# Altium PCB Stabiliser.PCBDOC (part 7 of 8) (continued)
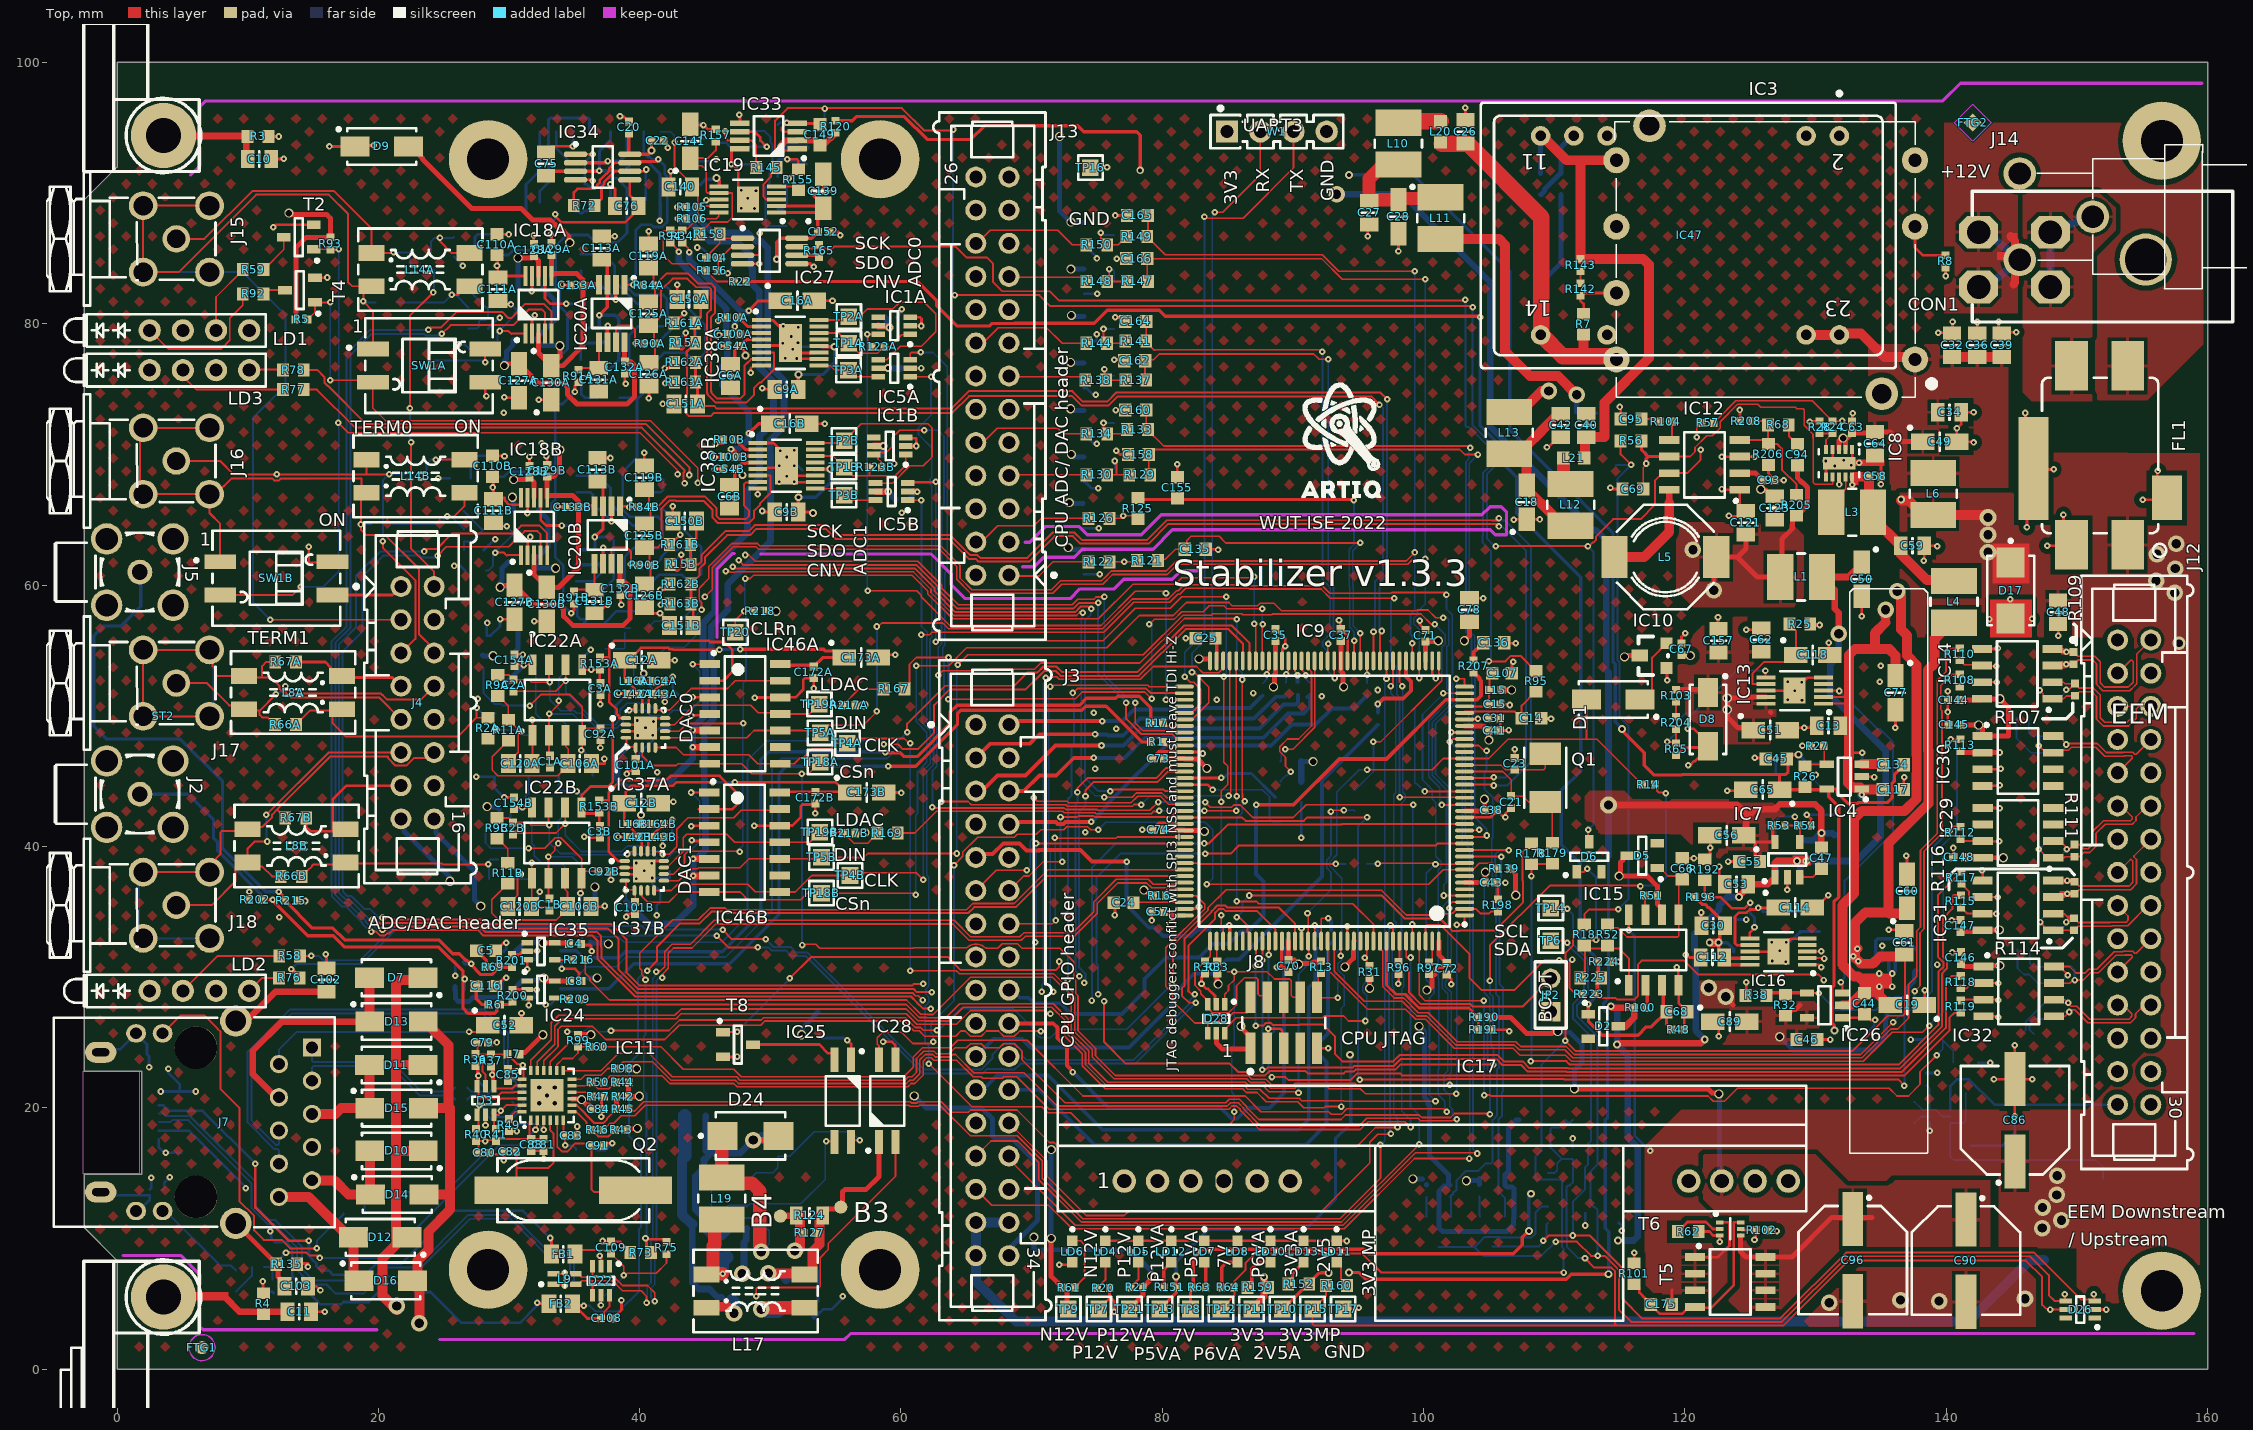
[diagram p0: Top view]
## Nets (pads, with @x,y where several pads share a name; then routed paths per layer and width w, separated by ;. In a path a pad name is that pad's centre, name@x,y a point inside that pad or via, vN(x,y) a via of type N, cw(c..) or ccw(c..) an arc to the next point about the centre after c; other vN are vias at no path point) (continued)
  Bot w0.127: v1(61.783,71.859) 62.8,71.859 63.289,71.37 63.289,66.167 63.102,65.98 63.102,55.494 62.849,55.241 v1(62.849,53.108) ; v1(85.703,35.793) 85.703,42.148 86.112,42.557 86.112,43.192 86.309,43.389 v1(86.309,43.459) ; v1(85.703,57.375) 85.703,53.687 86.112,53.279 v1(86.112,52.778)
SPI3_MOSI: IC9.113
SPI3_SCK: IC5B.3 IC9.111 | length 64.8
  Top w0.127: v1(62.662,55.677) 62.725,55.74 75.466,55.74 76.825,57.1 76.825,57.122 77.923,58.22 80.61,58.22 81.496,59.106 v1(84.897,59.106) ; v1(84.5,43.434) 84.5,44.24 84.997,44.737 84.997,46.156 84.698,46.455 v1(84.698,53) ; v1(84.506,34.747) 84.506,33.883 84.5,33.877 84.659,33.718 IC9.111@84.659,32.752
  Top w0.203: IC5B.3@60.509,67.808 60.567,67.866 62.605,67.866 v1(62.662,67.922)
  Bot w0.127: v1(62.662,55.677) v1(62.662,67.922) ; v1@84.5,43.29 84.506,43.284 v1(84.506,34.747) ; v1(84.698,53) 84.698,53.062 84.897,53.261 v1(84.897,59.106)
SPI4_MISO: IC9.5
SPI4_MOSI: IC9.4 IC37A.9 IC46A.10 TP5A.1 | length 95.5
  Top w0.127: IC37A.9@41.948,48.32 48.194,48.32 48.746,48.871 50.52,48.871 53.48,48.871 TP5A.1@53.732,48.619 ; TP5A.1@53.809,48.696 54.381,49.267 56.565,49.267 56.618,49.32 57.147,49.32 v1(58.161,50.334) ; v1(58.161,56.833) 58.25,56.833 58.517,57.1 63.197,57.1 63.638,56.658 75.417,56.658 77.7,58.941 80.466,58.941 81.088,59.564 81.228,59.564 81.691,60.026 86.693,60.026 86.758,59.961 92.247,59.961 92.826,59.382 97.509,59.382 97.567,59.44 101.73,59.44 101.75,59.421 v1(101.75,59.25) ; v1(101.554,36.246) 103.115,36.246 IC9.4@103.134,36.227
  Bot w0.127: v1(58.161,50.334) v1(58.161,56.833) ; v1(101.554,36.246) 101.554,37.058 101.746,37.25 101.746,42.92 101.819,42.993 101.819,44.279 100.655,45.443 100.655,49.488 102.214,51.047 102.214,52.5 102.06,52.655 102.06,53.02 102.214,53.175 102.214,54.681 102.183,54.712 102.183,57.722 101.75,58.155 v1(101.75,59.25)
SPI4_NSS: IC9.3 IC37A.6 IC46A.7 TP18A.1 | length 102.6
  Top w0.127: IC37A.6@40.198,47.57 40.198,46.941 40.939,46.2 42.809,46.2 42.94,46.331 45.62,46.331 47.821,46.331 48.582,45.571 v1(52.397,45.571) 52.929,45.571 TP18A.1@53.809,46.451 TP18A.1@54.381,45.879 ; v1(52.444,32.454) 52.505,32.515 53.485,32.515 53.791,32.209 60.95,32.209 60.979,32.237 65.027,32.237 cw(c65.73,31.54) 66.434,32.237 66.537,32.237 66.556,32.219 67.402,32.219 67.74,32.556 68.92,32.556 69.257,32.219 72.165,32.219 73.22,31.164 73.22,29.891 73.389,29.722 73.389,28.732 73.552,28.569 73.552,25.898 74.885,24.565 74.885,23.987 76.403,22.469 86.569,22.469 86.849,22.19 87.931,22.19 88.383,21.738 90.021,21.738 90.136,21.853 94.771,21.853 94.915,21.708 101.958,21.708 v1(102,21.75) ; v1(101.956,35.281) 102,35.325 102,35.561 102.184,35.746 103.115,35.746 IC9.3@103.134,35.727
  Bot w0.127: v1(52.397,45.571) 52.42,45.548 52.42,32.477 v1(52.444,32.454) ; v1(101.956,35.281) 102.001,35.281 102.106,35.176 102.106,30.085 101.668,29.646 101.668,29.282 102.106,28.843 102.106,22.705 102,22.599 v1(102,21.75)
SPI4_SCK: IC9.1 IC37A.8 IC46A.8 TP4A.1 | length 100.4
  Top w0.127: IC37A.8@41.198,47.57 42.81,47.57 43.355,47.025 48.345,47.025 49.038,46.331 50.52,46.331 51.833,46.331 52.282,46.78 52.532,46.78 53.215,47.463 54.631,47.463 55.065,47.898 TP4A.1@55.9,47.898 56.267,48.265 60.248,48.265 60.615,47.898 v1(60.714,47.898) ; v1(60.714,30.499) 64.238,30.499 64.467,30.27 71.672,30.27 72.589,29.354 72.655,29.354 73.135,28.874 73.135,28.627 73.298,28.464 73.298,25.793 74.631,24.46 74.631,23.882 76.298,22.215 86.464,22.215 86.744,21.936 87.826,21.936 88.278,21.484 90.127,21.484 90.242,21.599 92.628,21.599 92.772,21.454 95.158,21.454 95.548,21.065 v1(102.5,21.065) ; v1(102.548,34) 102.901,34 103.134,34.233 IC9.1@103.134,34.727
  Bot w0.127: v1(60.714,30.499) 60.714,36.098 60.697,36.114 60.697,36.479 60.714,36.495 v1(60.714,47.898) ; v1(102.5,21.065) 102.548,21.113 v1(102.548,34)
SPI5_MOSI: IC9.20 IC37B.9 IC46B.10 TP5B.1 | length 93.8
  Top w0.127: IC37B.9@41.853,37.382 42.99,37.382 43.899,38.291 44.428,38.291 44.518,38.382 47.69,38.382 48.363,39.055 50.475,39.055 50.481,39.05 53.809,39.05 TP5B.1@53.919,39.16 57.154,39.16 57.455,39.461 v1(64.258,39.461) ; v1(64.338,53.899) 65.1,54.661 78.547,54.661 81.59,57.704 83.758,57.704 83.87,57.816 86.09,57.816 86.167,57.739 88.387,57.739 88.439,57.791 99.804,57.791 100.595,57 v1(100.859,57) ; v1(100.076,44.209) 103.116,44.209 IC9.20@103.134,44.227
  Bot w0.127: v1(64.258,39.461) 64.258,53.718 64.338,53.798 v1(64.338,53.899) ; v1(100.076,44.209) 99.486,44.799 99.407,44.799 99.329,44.877 99.329,50.624 101.379,52.673 101.379,55.235 101.66,55.517 101.66,56.199 v1(100.859,57)
SPI5_NSS: IC9.18 IC37B.6 IC46B.7 TP18B.1 | length 101.4
  Top w0.127: IC37B.6@40.153,36.682 40.153,36.189 40.616,35.725 42.231,35.725 43.016,36.51 45.581,36.51 47.696,36.51 48.284,35.922 52.339,35.922 52.837,36.42 TP18B.1@53.917,36.42 60.913,36.42 61.037,36.297 v1(61.138,36.297) ; v1(61.161,53.838) 63.654,53.838 65.018,55.202 75.756,55.202 78.226,57.671 80.839,57.671 81.833,58.665 85.105,58.665 85.337,58.433 87.29,58.433 87.477,58.62 88.548,58.62 89.123,58.045 99.48,58.045 99.534,58.098 100.335,58.098 100.933,57.5 v1(101.5,57.5) ; v1(101.379,43.175) 103.082,43.175 IC9.18@103.134,43.227
  Bot w0.127: v1(61.138,36.297) 61.138,42.389 61.259,42.511 61.259,45.731 61.981,46.453 61.981,48.749 61.161,49.569 v1(61.161,53.838) ; v1(101.379,43.175) 101.246,43.308 101.246,44.493 100.401,45.338 100.401,49.593 101.94,51.133 101.94,51.909 101.774,52.076 101.774,55.272 101.914,55.411 101.914,57.368 101.782,57.5 v1(101.5,57.5)
SPI5_SCK: IC9.19 IC37B.8 IC46B.8 TP4B.1 | length 99.8
  Top w0.127: IC37B.8@41.103,36.632 42.424,36.632 42.909,37.117 48.273,37.117 48.854,36.535 50.455,36.535 50.481,36.51 51.905,36.51 53.175,37.78 TP4B.1@56.101,37.78 56.315,37.994 61.165,37.994 v1(61.697,37.462) v1@61.596,37.462 ; v1(61.566,56.21) 62.182,56.21 62.375,56.404 75.522,56.404 77.805,58.687 80.571,58.687 81.193,59.31 81.334,59.31 81.796,59.772 86.588,59.772 86.653,59.707 92.142,59.707 92.849,59 v1(97.75,59) ; v1(98.159,43.772) 98.163,43.768 100.258,43.768 100.262,43.772 103.089,43.772 IC9.19@103.134,43.727
  Bot w0.127: v1(61.566,56.21) 61.602,56.174 61.602,49.488 62.235,48.854 62.235,46.348 61.697,45.809 v1(61.697,37.462) ; v1(97.75,59) 97.5,58.75 97.5,54.158 97.934,53.725 97.934,51.649 98.159,51.424 v1(98.159,43.772)
TCK: D28.3 IC9.109 J8.4 R30.2 | length 14
  Top w0.127: IC9.109@83.659,32.752 83.659,31.591 R30.2@83.274,31.206 82.5,30.432 82.5,29.377 82.953,28.923 82.953,28.721 83.481,28.194 83.481,27.644 83.74,27.385 83.74,27.365 83.852,27.254 85.059,27.254 85.676,27.87 85.676,29.34 86.292,29.956 87.19,29.956 87.32,29.826 87.32,28.696 87.451,28.566 87.924,28.566 J8.4@88.026,28.464
TD_N: J7.8 R220.2 | length 13.1
  Bot w0.152: J7.8@14.93,22.07 14.93,23.099 15.019,23.188 20.932,23.188 23.188,20.933 25.594,20.933 25.882,20.645 R220.2@25.882,20.625
TD_P: J7.10 R199.2 | length 13.1
  Bot w0.152: J7.10@14.93,24.61 14.93,23.582 15.019,23.493 21.059,23.493 23.314,21.238 25.594,21.238 25.882,21.525 R199.2@25.882,21.545
TDI: D28.1 IC5B.1 IC9.110 J8.8 R33.2 | length 94.8
  Top w0.127: IC5B.1@60.509,66.508 61.547,66.508 v1(61.566,66.489) ; v1(62.137,23.382) 65.431,20.088 70.777,20.088 71.241,19.624 72.984,19.624 73.869,18.739 85.16,18.739 85.519,19.098 v1(85.519,19.695) ; IC9.110@84.159,32.752 84.159,31.25 R33.2@84.203,31.206 84.987,30.422 v1(85.5,30.422) ; D28.1@84.781,27.919 84.781,28.688 85.069,28.976 85.069,29.354 85.5,29.785 v1(85.5,30.422) ; J8.8@90.566,28.464 90.005,28.464 89.875,28.594 89.875,29.724 89.745,29.855 88.581,29.855 88.014,30.422 v1(85.5,30.422)
  Bot w0.127: v1(61.566,66.489) 61.566,56.833 62.006,56.393 62.006,56.028 61.967,55.989 61.967,49.481 62.489,48.96 62.489,46.242 61.967,45.721 61.967,37.814 62.137,37.644 62.137,29.297 61.917,29.077 61.917,28.672 62.137,28.451 62.137,28.064 61.84,27.767 61.84,25.04 62.137,24.743 v1(62.137,23.382) ; v1(85.5,30.422) 85.5,26.494 85.471,26.465 85.471,26.017 85.5,25.987 85.5,24.789 85.319,24.608 85.319,21.181 85.519,20.981 v1(85.519,19.695)
TDO: D28.6 IC9.133 J8.6 R31.2 | length 20.3
  Top w0.127: D28.6@84.649,25.863 85.664,26.878 88.984,26.878 89.005,26.899 89.281,26.899 ; J8.6@89.296,28.464 89.281,28.449 89.281,26.899 ; v1(95.549,26.64) 94.252,26.64 93.875,27.018 92.391,27.018 92.273,26.899 89.281,26.899 ; IC9.133@95.659,32.752 95.659,31.07 R31.2@95.869,30.86
  Bot w0.127: v1(95.549,26.64) 95.659,26.751 95.659,28.586 95.329,28.916 95.329,29.364 95.659,29.694 v1@95.659,31.496
  other v1: 95.504,31.496
TERM0: LD1.1 R92.1 | length 11
  Top w0.127: LD1.1@2.5,79.5 3.931,78.069 7.97,78.069 8.64,78.739 8.64,80.435 9.62,81.416 R92.1@9.62,82.294
TERM1: LD1.3 R59.1 | length 5.5
  Top w0.127: LD1.3@7.58,79.5 7.58,82.054 9.62,84.094 R59.1@9.62,84.144
TERM_STAT0: IC9.80 R5.2 SW1A.2 T4.1 | length 93.4
  Top w0.127: R5.2@14.59,80.334 15.15,80.894 T4.1@15.15,81.634 16.292,81.634 v1(16.312,81.654) ; v1(16.332,75.692) SW1A.2@19.423,75.692 ; SW1A.2@19.581,75.534 19.581,73.56 20.548,72.593 40.818,72.593 44.45,68.961 v1(44.45,67.818) ; v1(48.082,62.306) 48.363,62.306 48.845,61.824 61.289,61.824 63.115,59.998 63.115,59.767 64.396,58.487 73.101,58.487 73.529,58.915 74.752,58.915 74.925,59.089 75.29,59.089 75.424,58.955 v1(75.575,59.106) ; v1(77.929,50.995) 77.929,49.444 78.517,48.857 80.932,48.857 81.062,48.727 IC9.80@81.684,48.727
  L3 w0.127: v1(44.45,67.818) 44.45,67.564 45.872,66.142 45.872,64.11 47.294,62.688 47.62,62.688 48.047,62.262 48.082,62.298 v1(48.082,62.306)
  Bot w0.127: v1(16.312,81.654) 16.312,75.712 v1(16.332,75.692) ; v1(75.575,59.106) 75.54,59.07 75.54,58.84 75.548,58.831 75.548,53.107 77.161,51.494 77.448,51.494 77.929,51.013 v1(77.929,50.995)
TERM_STAT1: IC9.90 R93.2 SW1B.2 T2.1 | length 124
  Top w0.127: SW1B.2@7.9,59.249 13.439,59.249 v1(14.057,59.868) ; T2.1@15.057,85.693 16.312,85.693 R93.2@16.332,85.673 16.95,85.673 v1(16.97,85.693) ; v1(16.942,72.415) 17.7,71.658 40.026,71.658 42.901,68.783 v1(42.901,68.478) ; v1(46.584,61.062) 46.702,61.18 46.731,61.18 46.935,60.977 47.299,60.977 47.334,61.011 60.953,61.011 62.303,59.661 62.303,59.431 64.059,57.674 73.438,57.674 73.663,57.899 v1(73.927,57.899) ; v1(75.565,43.775) 77.692,43.775 78.011,44.094 79.971,44.094 80.338,43.727 IC9.90@81.684,43.727
  L3 w0.127: v1(42.901,68.478) 42.994,68.385 42.994,67.61 43.252,67.352 43.497,67.352 44.907,65.942 44.907,62.738 v1(46.584,61.062)
  Bot w0.127: v1(14.057,59.868) 15.773,59.868 16.97,61.064 v1(16.97,85.693) ; v1(73.927,57.899) 73.876,57.849 73.876,57.459 73.8,57.382 73.8,44.94 74.847,43.893 75.346,43.893 75.464,43.775 v1(75.565,43.775)
TMS: D28.4 IC9.105 J8.2 R16.2 | length 21
  Top w0.127: R16.2@80.253,36.227 IC9.105@81.684,36.227 82.607,36.227 83.25,35.584 83.25,35.219 80.276,32.245 80.276,29.282 80.534,29.024 80.555,29.024 80.78,28.798 80.78,28.202 82.488,26.494 83.559,26.494 ; D28.4@83.481,25.719 83.481,26.415 83.559,26.494 ; J8.2@86.756,28.464 86.528,28.236 86.528,27.263 85.429,27.263 85.038,26.873 84.51,26.873 84.131,26.494 83.559,26.494
USART3_RX: IC9.78 W1.2 | length 49.3
  Top w0.127: IC9.78@81.684,49.727 82.3,49.727 83.563,50.99 83.563,52.205 82.481,53.286 82.321,53.286 v1(82.274,53.333) ; v1(84,88.526) 84.626,88.526 87.5,91.4 W1.2@87.5,94.711
  Bot w0.127: v1(82.274,53.333) 82.274,54.127 82.269,54.132 82.269,54.779 83.825,56.335 83.825,88.25 84,88.425 v1(84,88.526)
USART3_TX: IC9.77 W1.3 | length 51.4
  Top w0.127: IC9.77@81.684,50.227 82.241,50.227 82.6,50.586 82.6,50.598 82.953,50.951 82.953,52.014 82.4,52.567 82.129,52.567 v1(81.712,52.984) ; v1(83.228,88.2) 83.343,88.086 86.186,88.086 90.04,91.94 W1.3@90.04,94.711
  Bot w0.127: v1(81.712,52.984) 81.712,54.852 83.228,56.368 v1(83.228,88.2)
USB_ID: C108.2 D22.6 FB2.1 IC9.102 | length 80.9
  Top w0.152: FB2.1@34.872,5 35.046,4.826 35.072,4.851 v1(35.735,4.851) ; C108.2@37.05,3.875 37.284,4.109 37.284,4.377 37.688,4.781 D22.6@37.688,5.656 ; v1(40.59,30.499) 41.329,31.238 41.329,32.338 43.104,34.112 44.595,34.112 45.502,35.02 46.439,35.02 46.562,34.897 65.128,34.897 65.594,35.363 68.791,35.363 71.178,37.75 81.661,37.75 IC9.102@81.684,37.727
  Top w0.203: FB2.1@35.046,4.826 35.997,3.875 C108.2@37.05,3.875
  Bot w0.152: v1(35.735,4.851) 36.195,4.851 36.622,4.425 38.416,4.425 39.954,5.963 39.954,10.74 40.107,10.892 40.107,16.942 39.181,17.867 39.181,23.382 39.857,24.058 39.857,29.856 40.499,30.499 v1(40.59,30.499)
USB_N: D22.4 IC9.103 L9.2 | length 79.2
  Top w0.127: L9.2@35.114,6.491 35.364,6.491 35.5,6.627 35.5,6.676 35.575,6.751 36.429,6.751 ; D22.4@36.388,5.656 36.388,6.71 36.429,6.751 ; D22.4@36.511,5.993 D22.4@36.538,5.966 ; v1(40.526,5.076) 40.526,5.578 40.111,5.993 38.694,5.993 38.211,6.476 38.211,6.483 37.943,6.751 36.429,6.751 ; v1(41.28,30.403) 41.341,30.465 41.587,30.465 41.913,30.791 41.913,31.95 42.472,32.509 43.887,32.509 45.721,34.342 64.067,34.342 65.32,33.09 69.098,33.09 69.412,33.403 73.142,33.403 74.748,35.009 74.748,35.748 76.484,37.484 78.934,37.484 79.301,37.117 80.952,37.117 81.062,37.227 IC9.103@81.684,37.227
  Bot w0.127: v1@40.59,4.873 40.59,6.316 40.863,6.589 40.863,9.81 41.009,9.956 41.009,29.887 41.218,30.096 41.218,30.342 v1(41.28,30.403)
USB_P: D22.3 IC9.104 L9.3 | length 79
  Top w0.127: L9.3@35.114,7.291 35.364,7.291 35.5,7.154 35.5,7.105 35.575,7.03 36.361,7.03 ; D22.3@36.388,7.856 36.388,7.057 36.361,7.03 ; v1(41.153,5.197) 41.153,5.838 40.596,6.394 38.688,6.394 38.575,6.508 38.575,6.521 38.415,6.68 38.409,6.68 38.059,7.03 36.361,7.03 ; v1(41.723,29.96) 41.784,30.022 41.784,30.267 42.192,30.675 42.192,31.834 42.587,32.229 44.003,32.229 45.836,34.063 63.951,34.063 65.204,32.81 69.214,32.81 69.528,33.124 73.258,33.124 75.027,34.893 75.027,35.632 76.599,37.204 78.819,37.204 79.185,36.837 80.952,36.837 81.062,36.727 IC9.104@81.684,36.727
  Bot w0.127: v1(41.153,5.197) 40.87,5.48 40.87,6.2 41.143,6.473 41.143,9.695 41.289,9.84 41.289,29.771 41.416,29.898 41.661,29.898 v1(41.723,29.96)
USBJ_N: J9.2 L9.1 | length 46
  Top w0.152: L9.1@33.414,6.491 34.164,6.491 v1(34.264,6.391)
  Bot w0.152: J9.2@3.2,19.545 3.525,19.545 3.716,19.355 5.587,19.355 10.614,14.327 10.614,12.445 11.654,11.404 12.116,11.404 13.669,9.851 14.147,9.374 14.147,8.031 14.163,8.014 14.163,7.639 15.016,6.786 19.436,6.786 20.421,7.771 22.859,7.771 26.899,11.811 30.225,11.811 32.968,9.068 34.315,9.068 34.969,8.414 34.969,6.807 34.552,6.391 v1(34.264,6.391)
USBJ_P: J9.3 L9.4 | length 46
  Top w0.152: L9.4@33.414,7.291 34.164,7.291 v1(34.264,7.391)
  Bot w0.152: J9.3@3.2,18.895 4.075,18.895 4.229,19.05 5.46,19.05 10.309,14.201 10.309,12.318 11.528,11.099 11.99,11.099 13.543,9.547 13.721,9.368 13.789,9.3 13.789,7.581 14.898,6.473 16.031,6.473 16.731,5.774 18.855,5.774 20.168,7.087 22.606,7.087 27.025,11.506 30.099,11.506 32.842,8.763 34.188,8.763 34.664,8.288 34.664,6.997 34.511,6.844 34.311,6.844 34.264,6.891 v1(34.264,7.391)
VBUS_DET: IC9.101 R73.1 R75.2 | length 69.6
  Top w0.127: v1(40.448,29.807) 40.448,29.908 40.324,30.032 40.15,30.206 40.15,30.526 40.007,30.669 40.007,31.842 42.544,34.379 44.484,34.379 45.392,35.286 46.549,35.286 46.672,35.164 65.018,35.164 65.484,35.63 68.68,35.63 71.257,38.206 81.664,38.206 IC9.101@81.684,38.227
  Top w0.203: R73.1@40.872,8.914 40.524,9.263 40.524,9.844 40.448,9.92 v1(40.448,10) 40.505,9.943 40.71,9.943 40.715,9.938 41.724,9.938 41.732,9.93 41.863,9.93 R75.2@42.051,9.742
  Bot w0.127: v1(40.448,10) 40.52,10.072 40.52,21.103 40.31,21.313 40.31,25.44 40.448,25.579 v1(40.448,29.807)
VOUTA: IC37A.1 IC46A.2 R153A.1 | length 20.4
  Top w0.203: R153A.1@36.952,54.46 37.686,54.46 ; IC37A.1@38.998,49.82 38.452,49.82 38.429,49.844 38.429,49.959 38.248,50.14 38.248,50.466 37.686,51.029 37.686,54.46 ; IC46A.2@45.62,52.681 46.407,52.681 47.098,53.373 47.098,55.017 46.465,55.651 45.416,55.651 45.326,55.74 38.05,55.74 37.686,55.377 37.686,54.46
VOUTB: IC37B.1 IC46B.2 R153B.1 | length 21.6
  Top w0.203: R153B.1@36.907,43.522 37.641,43.522 ; IC37B.1@38.953,38.882 38.349,38.882 37.641,39.59 37.641,43.522 ; 44.546,42.86 47.091,42.86 47.4,43.168 47.4,44.121 46.119,45.402 42.381,45.402 42.047,45.069 38.562,45.069 37.641,44.148 37.641,43.522
pads on no net: CON1.9 D2.2 D4.2 D5.2 D6.2 D22.1 D26.1 D26.6 D30.1 D30.6 FTG1.FTG2 FTG2.1 FTG3.1 FTG4.1 IC1A.4 IC1B.4 IC3.9 IC6.5 IC9.7 IC9.26 IC9.55 IC9.98 IC9.114 IC9.132 IC13.4 IC16.4 IC17.4 IC17.5 IC17.6 IC17.9 IC19.4 IC24.1 IC29.3 IC29.4 IC29.6 IC30.5 IC30.6 IC35.1 IC36.3 IC36.5 IC36.6 IC37A.7 IC37B.7 IC38A.13 IC38A.15 IC38B.13 IC38B.15 IC39.3 IC39.4 IC39.6 IC46A.9 IC46B.9 IC48.1 IC48.2 IC48.3 IC48.7 J4.14 J7.MH1 J7.MH2 J8.7 J14.2 RN5A.2 RN5A.7 RN5B.2 RN5B.7

## Polygon pours and split planes (outlines as drawn)
no net on Top "balancing_top" (solid, pour order 74): 0.59,97.765 139.442,97.765 139.442,79.176 133.542,79.176 133.436,65.264 119.234,65.264 119.189,59.194 120.41,58.098 133.542,58.042 133.436,55.734 154.125,55.798 154.125,47.427 155.942,45.01 155.969,25.7 150.628,20.244 119.888,20.244 116.51,17.29 116.51,1.311 0.61,1.311 0.453,8.671 -2.159,11.113 -2.159,89.268 0.453,91.88
P12V0 on Top "d" (solid, remove dead copper, pour order 2): 120.421,5.197 122.291,5.197 123.768,6.674 123.768,11.026 123.237,11.557 122.301,11.557 121.031,12.827 121.031,16.51 121.361,16.84 130.124,16.84 132.554,14.41 135.407,14.41 135.84,14.843 144,14.843 144,9.253 149.997,9.253 149.997,5.052 159.398,5.052 159.398,70.08 147.676,70.159 147.676,67.082 136.44,67.057 136.44,56.007 154.398,56.007 154.398,48.052 156.398,46.052 156.398,41.052 156.398,25.493 150.763,19.858 136.981,19.858 119.731,19.858 116.942,17.069 116.942,6.472 118.262,5.151 118.618,5.156
P12V0POE on Top "Top-NetC90_1" (solid, remove dead copper, pour order 42): 127.838,4.242 132.654,9.058 143.358,9.058 143.358,14.545 136.212,14.552 135.834,14.173 132.289,14.173 129.673,16.789 121.769,16.789 121.234,16.254 121.234,13.123 123.368,10.989 123.368,5.207 124.333,4.242
GND on Top "Top-GND" (solid, remove dead copper, pour order 54): 133.252,7.801 145.971,7.801 146.863,6.909 146.863,3.048 129.718,3.048 129.108,3.658
N12V0A on Top "ML1_BAL" (solid, remove dead copper, pour order 20): 130.278,27.721 130.278,25.532 129.467,24.721 129.392,24.646 121.082,24.646 121.082,29.92 128.199,29.92
P2V5A on Top "Top-P2V5A" (solid, remove dead copper, pour order 44): 112.852,44.272 115.343,44.272 116.003,43.612 126.467,43.612 127.813,42.266 127.813,39.477 126.791,38.456 121.361,38.456 121.361,39.256 119.698,40.919 113.538,40.919 112.319,42.139 112.319,43.857 112.725,44.264
P12V0A on Top "ML1_BAL" (solid, remove dead copper, pour order 22): 126.992,55.048 126.992,57.596 122.042,57.596 119.464,55.018 119.464,50.691 122.335,47.821 126.392,47.821 126.567,47.821 126.967,48.221 126.992,48.246 126.992,49.696
P12V0FIL on Top "Top Overlay-No Net" (solid, remove dead copper, pour order 18): 144.763,78.432 144.763,67.276 134.01,67.276 134.01,78.432
P3V3 on Top "Top-P3V3" (solid, remove dead copper, pour order 46): 128.082,64.821 129.083,63.82 129.083,59.08 128.323,58.321 120.622,58.321 119.329,59.614 119.329,64.414 119.736,64.821
P12V0F on Top "Top-P12V0F" (solid, remove dead copper, pour order 26): 151.391,74.143 151.391,85.452 153.176,87.237 153.176,89.078 151.536,90.424 145.466,90.424 145.466,80.823 139.852,80.823 139.852,95.402 159.664,95.402 159.664,78.435 155.372,74.143
GNDF on Top "Top-GNDF" (solid, remove dead copper, pour order 24): 145.872,74.742 146.548,74.066 151.161,74.066 151.161,85.349 152.959,87.147 152.959,88.9 151.613,90.094 145.872,90.094
P3V3 on L3 "L3-P3V3" (solid, remove dead copper, pour order 32): 31.953,16.84 31.953,32.591 32.362,33 42.501,33 45.822,36.321 45.822,55.042 50.825,60.046 62.103,60.046 64.491,62.433 64.491,86.335 97.561,86.335 117.043,66.853 121.869,66.853 123.19,65.532 123.19,64.567 123.321,64.567 129.772,58.115 144.475,58.115 151.486,51.105 151.486,18.796 150.724,18.034 150.546,18.212 131.293,18.212 127.305,22.2 127.305,53.315 121.641,53.315 121.028,52.702 121.028,37.243 109.481,25.695 66.557,25.695 57.702,16.84
GND on L3 "GND_L03_P052" (solid, remove dead copper, pour order 52): 0.5,0.5 145.364,0.5 145.364,17.323 156.016,17.323 155.631,59.715 141.99,59.715 141.91,67.25 159.233,67.25 159.233,99.238 0.5,99.25 0.5,91.9 -2,89.4 -2,10.918 0.5,8.418 0.5,7.264 17.723,7.264 22.209,11.75 22.209,12.151 16.129,18.231 16.129,31.744 16.129,86.753 16.671,87.294 69.248,87.294 69.886,86.656 97.727,86.656 117.133,67.25 122,67.25 123.817,65.433 123.817,64.83 128.137,60.509 128.137,58.506 128.323,58.321 144.546,58.321 151.75,51.117 151.75,18.623 151.127,18 131.25,18 126.392,22.858 126.392,24.976 122.995,24.976 111.199,13.18 92.224,13.18 84.656,13.18 72.726,1.25 42.144,1.25 42.144,10.344 24.322,10.344 22.956,11.71 22.5,11.71 22.5,11.643 17.783,6.926 0.61,6.926 0.5,7.036
P12V0 on L3 "ML1_BAL" (solid, remove dead copper, pour order 14): 145.705,16.866 156,16.866 156,18 156,58.55 154.55,60 142.281,60 142.281,66.782 159.5,66.782 159.5,9.296 145.705,9.296
P12V0A on L3 "P12V0A_L03_P060" (solid, remove dead copper, pour order 60): 31.901,86.433 31.901,61.061 27.531,56.691 27.531,50.614 27.727,50.614 29.38,48.961 29.38,39.3 21.73,31.65 21.73,16.974 26.004,12.7 68.383,12.7 73.683,18 109.653,18 118.885,27.232 123.536,27.232 124.446,28.142 124.333,28.255 124.333,30.354 122.809,31.878 122.809,38.233 121.196,39.846 121.361,40.011 121.361,51.37 122.561,52.57 125.865,52.57 127.102,51.333 127.102,27.323 125.116,25.337 122.441,25.337 111.104,14 94.464,14 92.164,16.3 76.7,16.3 74.684,14.284 74.684,10.197 69.256,4.768 63.16,4.768 57.183,10.746 24.488,10.746 16.67,18.564 16.67,32.597 16.67,86.378 17.129,86.837 31.497,86.837
P5V0A on L3 "P5V0A_L03_P064" (solid, remove dead copper, pour order 64): 122.492,35.216 122.492,31.934 122.109,31.551 120.06,31.551 110.607,22.098 72.504,22.098 70.047,19.641 62.895,19.641 57.92,14.666 27.573,14.666 24.578,17.661 24.578,29.652 31.109,36.182 36.605,36.182 37.303,36.88 37.303,54.551 38.942,56.19 38.942,85.565 40.316,86.939 51.113,86.939 52.396,85.656 52.396,82.97 50.246,80.821 50.246,60.004 45.5,55.258 45.5,36.9 42.112,33.513 32.4,33.513 31.688,32.801 31.688,26.95 27.374,26.95 26.543,26.12 26.543,17.943 27.822,16.664 57.749,16.664 66.585,25.5 109.648,25.5 119.398,35.25 122.453,35.25
N12V0A on L3 "N12V0A_L03_P062" (solid, remove dead copper, pour order 62): 32.305,86.868 32.156,86.72 32.156,60.785 27.727,56.356 27.727,51.075 29.656,49.145 29.656,39.143 22.209,31.696 22.209,17.177 26.526,12.86 68.259,12.86 73.899,18.5 101.187,18.5 109.913,18.5 118.913,27.5 123.4,27.5 124.165,28.265 124.165,30.293 123.185,31.273 119.84,31.273 110.317,21.75 102.165,21.75 72.597,21.75 70.347,19.5 62.914,19.5 58.015,14.601 27.269,14.601 24.384,17.486 24.384,29.928 30.956,36.5 36.826,36.5 36.826,54.456 38.406,56.036 38.406,86.868
GND on L3 "NONET_L-01_P-001" (solid, remove dead copper, pour order 68): 74.117,43.432 74.117,50.017 75.327,51.227 84.249,51.227 85.026,52.004 96.375,52.004 96.375,50.947 94.157,48.729 90.083,48.835 88.362,47.114 80.906,47.114 76.424,42.631 76.424,41.272 75.599,40.448 73.809,40.448 73.639,40.618 73.639,42.954
AVDDT_PHY on L3 "L3-AVDDT_PHY" (solid, remove dead copper, pour order 30): 26.704,25.899 27.445,26.64 31.699,26.64 31.699,18.415 30.582,17.297 30.531,17.348 27.497,17.348 26.704,18.141 26.704,24.177
P6V0A on L3 "NONET_L-01_P-001" (solid, remove dead copper, pour order 70): 130.024,32.407 133.682,32.407 133.682,30.25 130.024,30.25
P2V5A on L3 "L3-P2V5A" (solid, remove dead copper, pour order 34): 61.69,60.376 64.033,62.719 64.033,86.995 57.023,86.995 50.444,80.416 50.444,60.528 50.597,60.376
no net on Bot "balancing_top" (solid, pour order 75): 0.59,97.765 159.995,97.765 159.995,25.019 151.171,25.019 151.274,15.469 128.82,15.469 121.217,7.866 73.361,7.866 70.134,10.139 65.199,10.143 62.738,12.652 57.928,12.652 57.846,1.27 0.61,1.311 0.453,8.671 -2.159,11.113 -2.159,89.268 0.453,91.88
P12V0 on Bot "Bot-P12V0" (solid, remove dead copper, pour order 48): 58.518,12.077 58.518,4.084 60.194,2.408 147.463,2.65 153.329,9.109 153.345,15.298 129.352,15.298 121.491,7.437 73.021,7.437 70.633,9.825 64.995,9.825 62.48,12.339 58.746,12.339 58.568,12.161
P12V0_EEM on Bot "O8_Vs2" (solid, remove dead copper, pour order 73): 153.899,9.109 158.436,9.109 159.563,10.236 159.563,24.498 151.405,24.498 151.46,17.098 153.899,17.098
GND on GP1(GND) (split plane): 159.484,0.51 0.51,0.51 0.51,8.32 0.506,8.368 0.501,8.418 0.501,8.419 0.487,8.466 0.472,8.514 0.472,8.515 0.448,8.559 0.425,8.602 0.425,8.603 0.424,8.603 0.393,8.642 0.362,8.68 -1.979,11.031 -1.979,14.39 1.88,14.39 1.979,14.399 2.075,14.428 2.163,14.476 2.241,14.539 2.304,14.616 2.351,14.705 2.38,14.8 2.39,14.9 2.39,22.8 2.38,22.9 2.351,22.995 2.304,23.084 2.241,23.161 2.163,23.224 2.075,23.272 1.979,23.301 1.88,23.31 -1.979,23.31 -1.979,89.299 -0.639,90.639 0.361,91.639 0.424,91.716 0.472,91.805 0.501,91.9 0.51,92 0.51,99.489 159.484,99.489

## Keep-outs
Top:
  lines w0.254: 0.453,8.689 4.9,8.689 6.35,7.239 6.35,6.475 ; 5.639,91.389 6.325,92.075 6.325,93.523 ; 6.325,95.174 6.325,96.597 6.782,97.053 139.743,97.053 141.089,98.4 159.577,98.4 ; 6.35,4.7 6.35,3.251 6.601,3 19.888,3 ; 24.689,2.261 55.677,2.261 56.137,2.721 158.944,2.721 ; 45.917,56.006 45.917,61.22 47.121,62.424 47.25,62.424 ; 49.25,62.382 62.304,62.382 63.85,60.836 63.85,60.045 64.92,58.975 72.97,58.975 73.701,59.707 76.314,59.707 77.05,60.442 80.764,60.442 81.432,61.109 82.75,61.109 ; 69.296,61.417 70.213,61.417 70.941,62.145 73.263,62.145 73.868,62.75 79.293,62.75 80.779,64.236 105.102,64.236 105.494,63.844 106.35,63.844 106.35,65.578 105.927,66 105.088,66 104.464,65.376 79.92,65.376 78.399,63.856 74.25,63.856 73.615,64.491 71.076,64.491 69.864,63.278 69.5,63.278
L3:
  lines w0.508: 84.737,12.609 90.303,12.609 91.454,13.76 91.454,14.932 90.481,15.906 84.845,15.906
Bot:
  lines w0.254: 0.025,91.389 5.639,91.389 6.325,92.075 6.325,96.597 7.036,97.307 159.461,97.307 ; 0.356,8.712 4.801,8.712 6.35,7.163 6.35,6.475 ; 6.35,7.214 6.35,6.475 ; 94.728,67.488 95.834,66.382 95.834,63.348 95.834,61.493 95.133,60.792 95.133,60.659 95.133,57.048 ; 95.869,56.921 95.869,60.532 96.52,61.183 96.52,72.706 95.93,73.296 95.93,74.423 96.257,74.75 97.646,74.75 97.865,74.531 97.865,73.871 97.629,73.635 97.629,60.355 97,59.726 97,57.059 97.159,56.899 ; 102.25,49.96 101.379,49.088 101.379,45.728 102.106,45 102.489,44.617 102.489,37.495 103.2,36.784 103.2,34.55 103.2,22.074 ; 103.134,48.496 103.134,53.148 102.945,53.337 102.945,54.399 102.5,54.844 102.5,60.34 102.25,60.59 102.25,70.913 102.657,71.32 103.68,71.32 ; 103.2,22.25 103.2,16.987 102.75,16.537 102.75,16.023 103.273,15.5 104.047,15.5 104.659,16.112 104.659,16.932 104.109,17.482 104.109,21.033 104.109,38.772 104.318,38.981 104.318,40.25 ; 103.25,71.32 103.68,71.32 ; 104.25,44.08 104.25,49.217 ; 104.25,50.313 104.25,53.259 104.25,54.641 104.5,54.891 104.5,56.125 104,56.625 103.919,56.707 103.919,59.298 104.109,59.488 104.109,59.541 104.187,59.619 104.187,64.121 104.187,68.983 104.728,69.523 104.728,70.272 103.68,71.32 ; 159.563,2.713 148.865,2.713 68.788,2.713 68.504,2.997 57.658,2.997 57.048,2.388 36.576,2.388 35.966,2.997 25.121,2.997 23.763,1.639 22.506,1.639 21.097,3.048 6.553,3.048 6.35,3.251 6.35,4.7 6.35,4.775 6.629,5.055 6.629,6.196 6.35,6.475 ; 91.5,77.5 91.5,77.823 92.11,78.433 92.778,78.433 93.25,77.961 93.25,76.951 93.104,76.804 93.104,60.646 94.031,59.719 94.031,56.474 93.779,56.223 93.779,53.871 94.676,52.974 94.676,52.778 94.676,52.03 94.056,51.41 93.35,51.41 92.5,52.259 92.5,52.628 92.5,52.969 92.227,53.242 92.227,54.641 91.851,55.017 91.851,56.018 92.5,56.666 92.5,59.266 91.851,59.915 91.851,75.391 91.659,75.583 91.659,77.341 91.5,77.5 ; 98.339,55.348 98.339,57.171 98.339,57.632 98.75,58.043 98.75,85.085 99,85.335 99.951,85.335 100.75,84.537 100.75,83.62 100.75,62.517 100.75,58.317 100.433,58 100.25,57.817 100.25,56.784 100.401,56.633 100.401,52.612 99.91,52.121 99.521,52.121 99.135,52.507 99.135,54.552 98.339,55.348
  lines w0.508: 83.85,12.141 90.244,12.141 91.443,13.34 91.443,14.918 90.52,15.84 85.319,15.84
KeepOutLayer:
  drawing of 3462 lines, arcs and shapes, not listed